# KiCad board helixloop.kicad_pcb (continued)
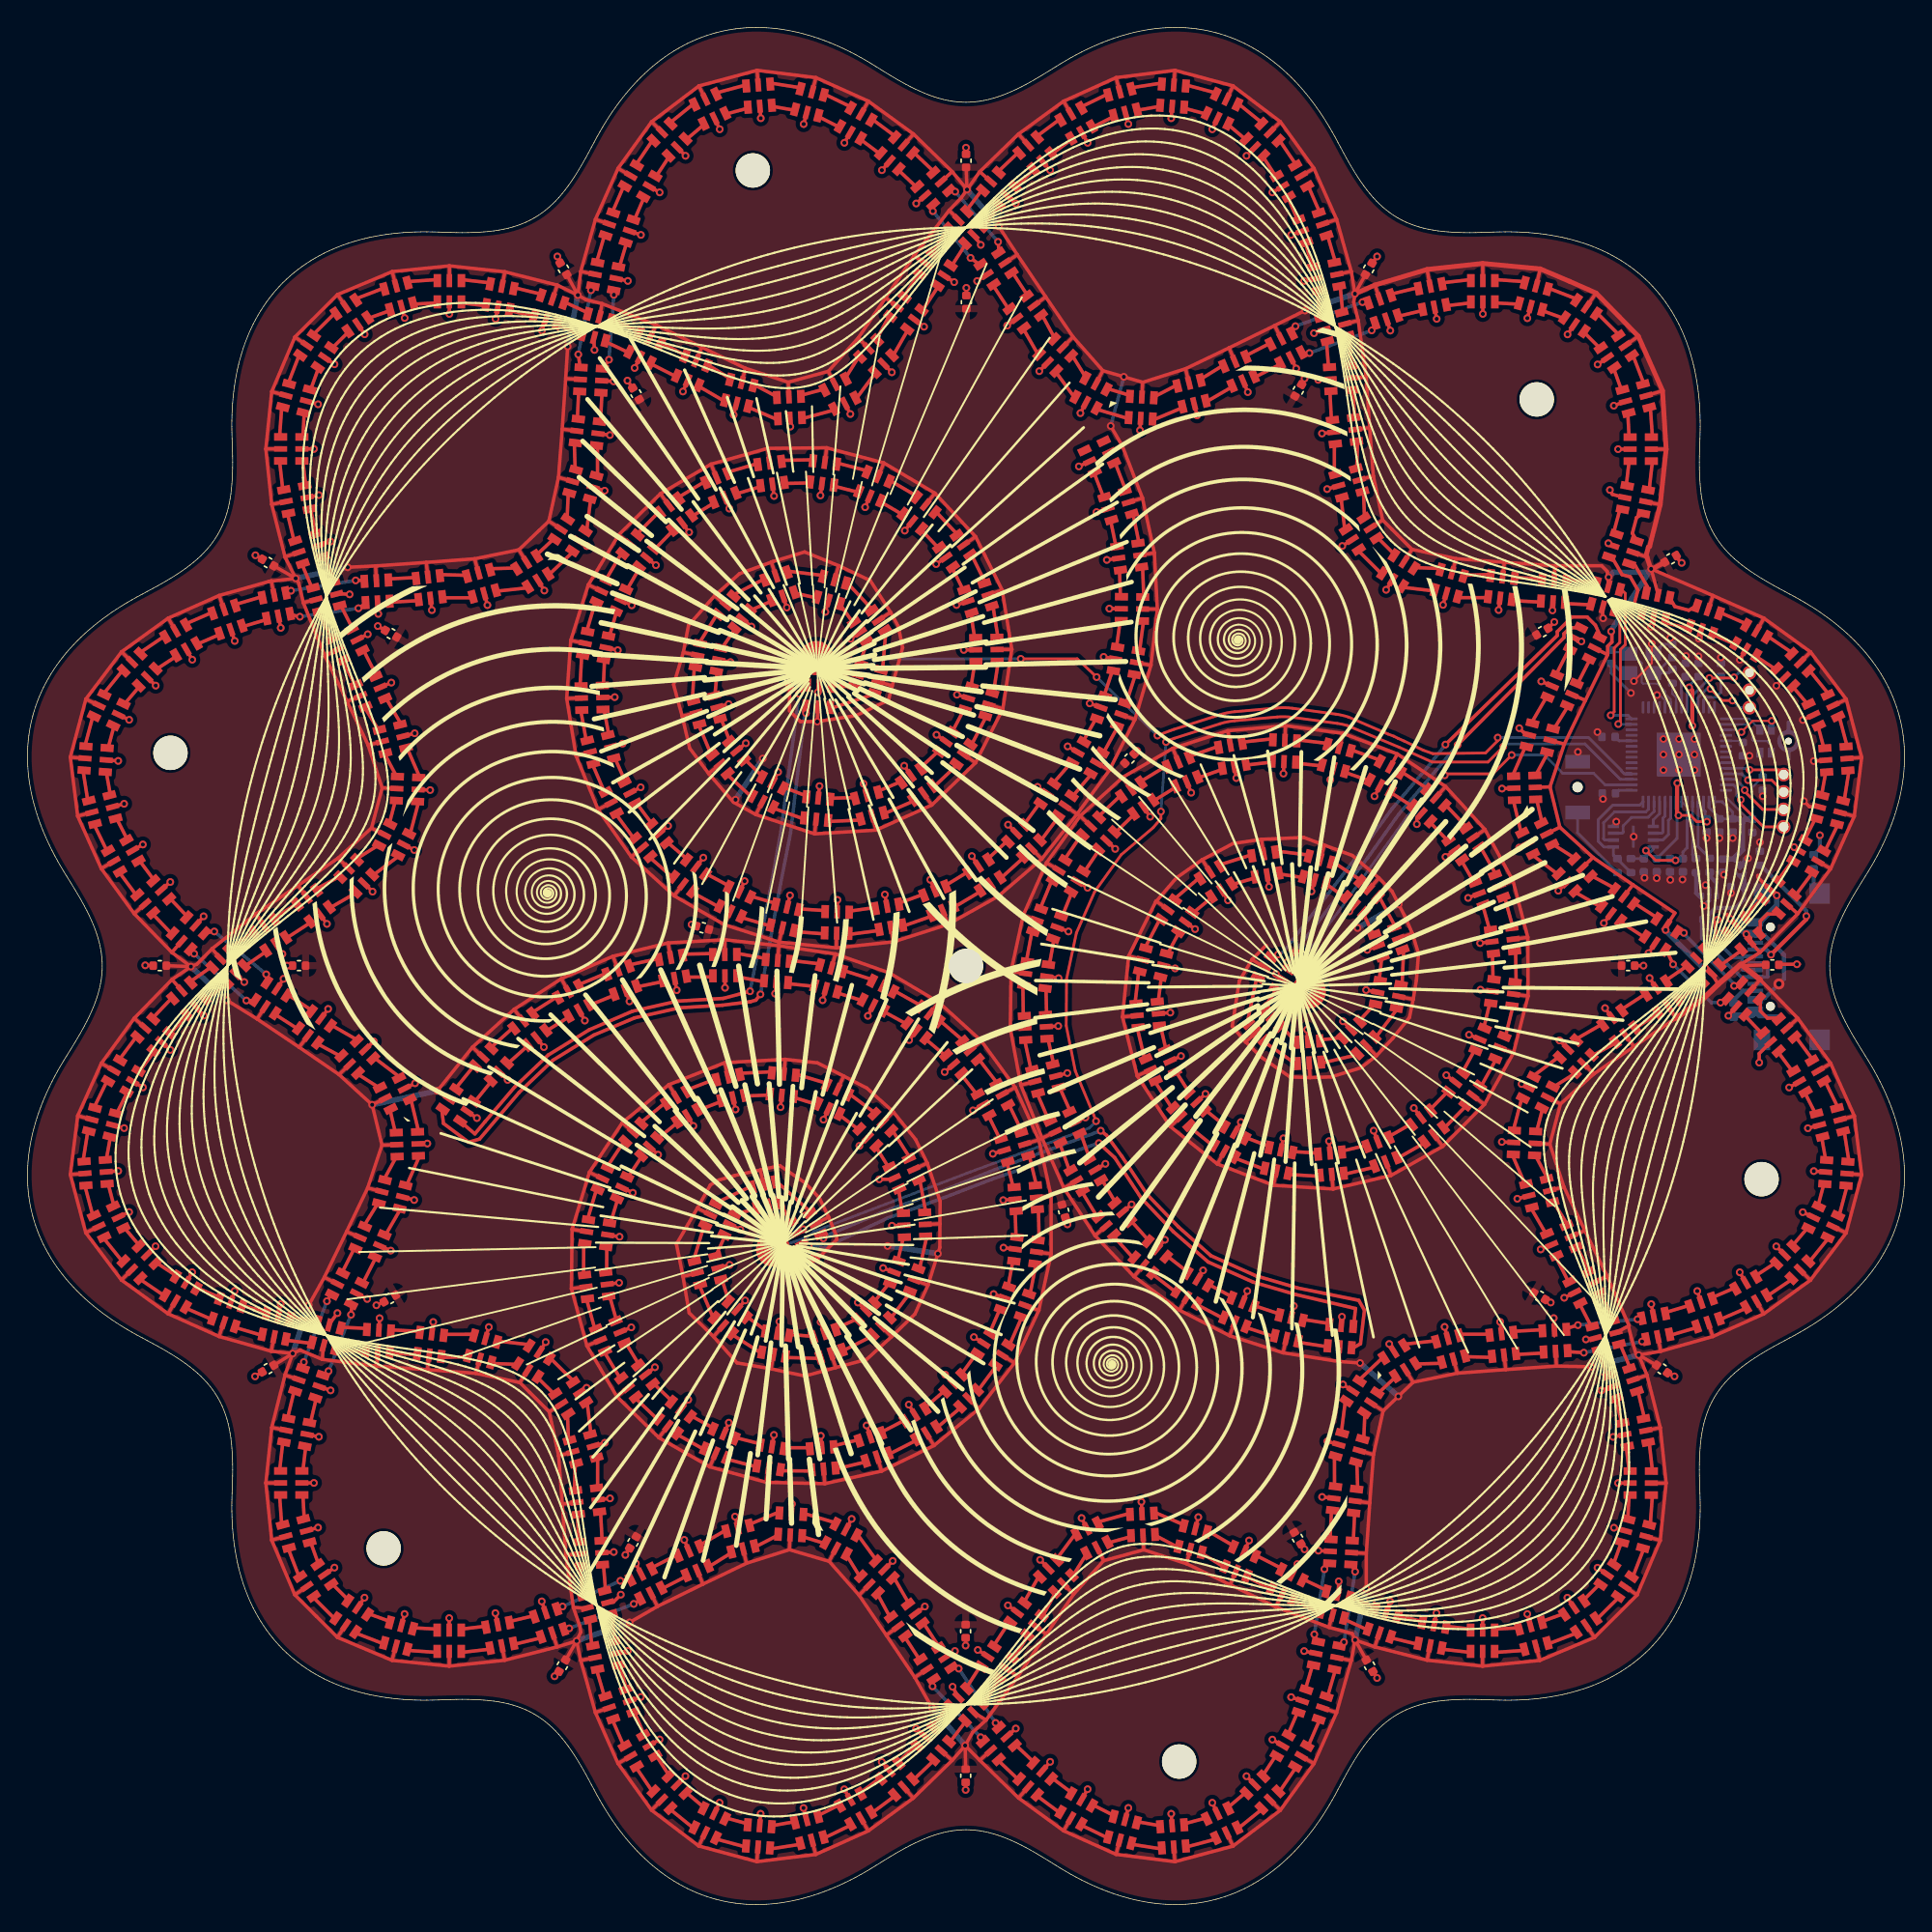
[diagram p0: board, top side]
## Routing (per net, layer and track width the routed paths; a pad name or vN(x,y) marks a point on that pad's centre or on a via; arc(x,y) is an arc through that point) (continued)
Net-(D176-CKO): length 2.1
  Top w0.25: 18.6,33.68 18.37,31.61
Net-(D176-SDO): length 1.7
  Top w0.25: 20.27,33.35 20.07,31.61
Net-(D177-CKO): length 2.1
  Top w0.25: 18.37,29.81 18.52,27.68
Net-(D177-SDO): length 1.7
  Top w0.25: 20.07,29.81 20.16,28.12
Net-(D178-CKO): length 2.2
  Top w0.25: 18.99,25.94 19.79,23.87
Net-(D178-SDO): length 1.6
  Top w0.25: 20.63,26.39 21.19,24.84
Net-(D179-CKO): length 2.2
  Top w0.25: 20.81,22.39 22.4,20.8
Net-(D179-SDO): length 1.6
  Top w0.25: 22.21,23.35 23.36,22.21
Net-(D180-CKO): length 2.2
  Top w0.25: 23.88,19.79 25.95,18.99
Net-(D180-SDO): length 1.6
  Top w0.25: 24.84,21.19 26.4,20.63
Net-(D181-CKO): length 2.1
  Top w0.25: 27.69,18.52 29.83,18.37
Net-(D181-SDO): length 1.7
  Top w0.25: 28.13,20.16 29.82,20.07
Net-(D182-CKO): length 2.1
  Top w0.25: 31.63,18.37 33.69,18.6
Net-(D182-SDO): length 1.7
  Top w0.25: 31.62,20.07 33.36,20.27
Net-(D183-CKO): length 2
  Top w0.25: 35.46,18.95 37.41,19.43
Net-(D183-SDO): length 1.8
  Top w0.25: 35.13,20.62 36.87,21.04
Net-(D184-CKO): length 6
  Top w0.25: 39.12,20 v1(39.47,20.12) ; v1(44.17,21.9) 44.64,22.21
  Bottom w0.25: v1(39.47,20.12) v1(44.17,21.9)
Net-(D184-SDO): length 5.7
  Top w0.25: 43.88,23.73 v1(43.19,23.58) ; v1(38.98,21.71) 38.58,21.61
  Bottom w0.25: v1(43.19,23.58) v1(38.98,21.71)
Net-(D185-CKO): length 2
  Top w0.25: 46.25,23.02 47.99,23.91
Net-(D185-SDO): length 2.1
  Top w0.25: 45.49,24.54 47.33,25.48
Net-(D186-CKO): length 1.9
  Top w0.25: 49.65,24.62 51.27,25.62
Net-(D186-SDO): length 2.2
  Top w0.25: 48.99,26.18 50.86,27.27
Net-(D187-CKO): length 1.8
  Top w0.25: 53.02,26.05 54.66,26.9
Net-(D187-SDO): length 2.3
  Top w0.25: 52.61,27.7 54.76,28.6
Net-(D188-CKO): length 1.7
  Top w0.25: 56.46,26.8 58.08,26.31
Net-(D188-SDO): length 2.4
  Top w0.25: 56.56,28.5 58.87,27.81
Net-(D189-CKO): length 1.9
  Top w0.25: 59.67,25.46 60.64,23.88
Net-(D189-SDO): length 2.3
  Top w0.25: 60.46,26.97 61.83,25.09
Net-(D190-CKO): length 1.9
  Top w0.25: 61.92,22.62 62.83,20.94
Net-(D190-SDO): length 2.2
  Top w0.25: 63.12,23.83 64.2,21.95
Net-(D191-CKO): length 2
  Top w0.25: 63.91,19.5 64.98,17.85
Net-(D191-SDO): length 2.1
  Top w0.25: 65.27,20.51 66.4,18.78
Net-(D192-CKO): length 5.9
  Top w0.25: 69.53,11.85 v1(69.44,12.19) ; v1(65.93,15.9) 65.97,16.35
  Bottom w0.25: v1(69.44,12.19) v1(65.93,15.9)
Net-(D192-SDO): length 5.6
  Top w0.25: 67.39,17.28 v1(67.84,17.19) ; v1(70.53,13.23) 70.8,12.97
  Bottom w0.25: v1(67.84,17.19) v1(70.53,13.23)
Net-(D193-CKO): length 2
  Top w0.25: 70.72,10.5 72.18,9.11
Net-(D193-SDO): length 1.8
  Top w0.25: 71.99,11.62 73.3,10.39
Net-(D194-CKO): length 2.1
  Top w0.25: 73.53,7.92 75.2,6.69
Net-(D194-SDO): length 1.7
  Top w0.25: 74.65,9.2 76.05,8.16
Net-(D195-CKO): length 2.1
  Top w0.25: 76.76,5.79 78.69,4.85
Net-(D195-SDO): length 1.7
  Top w0.25: 77.61,7.26 79.12,6.49
Net-(D196-CKO): length 2.2
  Top w0.25: 80.43,4.39 82.62,4.05
Net-(D196-SDO): length 1.6
  Top w0.25: 80.86,6.04 82.49,5.74
Net-(D197-CKO): length 2.2
  Top w0.25: 84.41,4.19 86.58,4.77
Net-(D197-SDO): length 1.6
  Top w0.25: 84.28,5.88 85.85,6.3
Net-(D198-CKO): length 2.2
  Top w0.25: 88.21,5.55 89.93,6.94
Net-(D198-SDO): length 1.6
  Top w0.25: 87.47,7.08 88.73,8.15
Net-(D199-CKO): length 2.1
  Top w0.25: 91.2,8.21 92.41,9.99
Net-(D199-SDO): length 1.7
  Top w0.25: 90.01,9.42 90.93,10.84
Net-(D200-CKO): length 2.1
  Top w0.25: 93.3,11.55 94.13,13.45
Net-(D200-SDO): length 1.7
  Top w0.25: 91.83,12.4 92.52,14
Net-(D201-CKO): length 2
  Top w0.25: 94.71,15.16 95.28,17.09
Net-(D201-SDO): length 1.8
  Top w0.25: 93.1,15.7 93.61,17.42
Net-(D202-CKO): length 6.1
  Top w0.25: 95.64,18.85 v1(95.91,19.12) ; v1(96.72,24.25) 96.48,24.74
  Bottom w0.25: v1(95.91,19.12) v1(96.72,24.25)
Net-(D202-SDO): length 5.9
  Top w0.25: 94.79,24.84 v1(94.48,24.43) ; v1(93.75,19.68) 93.97,19.19
  Bottom w0.25: v1(94.48,24.43) v1(93.75,19.68)
Net-(D203-CKO): length 2
  Top w0.25: 96.59,26.54 96.68,28.49
Net-(D203-SDO): length 2.1
  Top w0.25: 94.89,26.63 95,28.7
Net-(D204-CKO): length 1.9
  Top w0.25: 96.91,30.28 96.85,32.19
Net-(D204-SDO): length 2.2
  Top w0.25: 95.22,30.49 95.21,32.66
Net-(D205-CKO): length 1.8
  Top w0.25: 97.35,33.91 97.43,35.76
Net-(D205-SDO): length 2.3
  Top w0.25: 95.71,34.39 96.01,36.7
Net-(D206-CKO): length 1.7
  Top w0.25: 98.42,37.27 99.65,38.42
Net-(D206-SDO): length 2.4
  Top w0.25: 97,38.2 98.75,39.86
Net-(D207-CKO): length 1.9
  Top w0.25: 101.18,39.38 103.04,39.43
Net-(D207-SDO): length 2.3
  Top w0.25: 100.28,40.82 102.58,41.07
Net-(D208-CKO): length 1.9
  Top w0.25: 104.77,39.91 106.68,39.86
Net-(D208-SDO): length 2.2
  Top w0.25: 104.32,41.55 106.48,41.55
Net-(D209-CKO): length 2
  Top w0.25: 108.47,40.07 110.43,40.18
Net-(D209-SDO): length 2.1
  Top w0.25: 108.27,41.76 110.33,41.87
Net-(D210-CKO): length 5.8
  Top w0.25: v1(117.62,41.02) 117.9,41.11 ; 112.23,40.28 v1(113.38,40.2)
  Bottom w0.25: v1(113.38,40.2) v1(117.62,41.02)
Net-(D210-SDO): length 5.5
  Top w0.25: 117.57,42.78 v1(117.29,42.64) ; v1(112.95,42.21) 112.13,41.97
  Bottom w0.25: v1(117.29,42.64) v1(112.95,42.21)
Net-(D211-CKO): length 2
  Top w0.25: 119.67,41.47 121.6,42.04
Net-(D211-SDO): length 1.8
  Top w0.25: 119.33,43.13 121.05,43.65
Net-(D212-CKO): length 2.1
  Top w0.25: 123.3,42.62 125.21,43.45
Net-(D212-SDO): length 1.7
  Top w0.25: 122.75,44.23 124.36,44.92
Net-(D213-CKO): length 2.1
  Top w0.25: 126.77,44.35 128.54,45.55
Net-(D213-SDO): length 1.7
  Top w0.25: 125.92,45.82 127.34,46.74
Net-(D214-CKO): length 2.2
  Top w0.25: 129.81,46.82 131.2,48.55
Net-(D214-SDO): length 1.6
  Top w0.25: 128.6,48.02 129.67,49.28
Net-(D215-CKO): length 2.2
  Top w0.25: 131.98,50.17 132.56,52.34
Net-(D215-SDO): length 1.6
  Top w0.25: 130.44,50.91 130.86,52.47
Net-(D216-CKO): length 2.2
  Top w0.25: 132.7,54.14 132.35,56.33
Net-(D216-SDO): length 1.6
  Top w0.25: 131,54.27 130.71,55.89
Net-(D217-CKO): length 2.1
  Top w0.25: 131.89,58.07 130.95,59.99
Net-(D217-SDO): length 1.7
  Top w0.25: 130.25,57.63 129.48,59.14
Net-(D218-CKO): length 2.1
  Top w0.25: 130.05,61.55 128.81,63.22
Net-(D218-SDO): length 1.7
  Top w0.25: 128.58,60.7 127.53,62.1
Net-(D219-CKO): length 2.5
  Top w0.25: 126.24,66.03 126.24,65.09 126.75,64.58 127.63,64.58
Net-(D219-SDO): length 1.8
  Top w0.25: 126.35,63.46 125.12,64.76
Net-(D220-CKO): length 6.6
  Top w0.25: 124.89,67.22 124.59,66.92 v1(124.33,66.92) ; v1(120.67,70.79) 120.33,70.79 120.22,70.9
  Bottom w0.25: v1(120.67,70.79) 120.67,70.71 124.33,67.05 v1(124.33,66.92)
Net-(D220-SDO): length 6.3
  Top w0.25: 119.25,69.5 119.55,69.2 v1(119.88,68.5) ; v1(123.34,65.71) 123.58,65.95 123.76,65.95
  Bottom w0.25: v1(119.88,68.5) 122.67,65.71 v1(123.34,65.71)
Net-(D221-CKO): length 2
  Top w0.25: 118.71,71.89 117.07,72.95
Net-(D221-SDO): length 2.1
  Top w0.25: 117.78,70.47 116.04,71.59
Net-(D222-CKO): length 1.9
  Top w0.25: 115.63,74.04 113.95,74.94
Net-(D222-SDO): length 2.2
  Top w0.25: 114.6,72.68 112.72,73.76
Net-(D223-CKO): length 1.8
  Top w0.25: 112.7,76.24 111.14,77.23
Net-(D223-SDO): length 2.3
  Top w0.25: 111.48,75.06 109.62,76.47
Net-(D224-CKO): length 1.7
  Top w0.25: 110.33,78.84 109.95,80.49
Net-(D224-SDO): length 2.4
  Top w0.25: 108.82,78.08 108.25,80.43
Net-(D225-CKO): length 1.9
  Top w0.25: 109.89,82.29 110.77,83.92
Net-(D225-SDO): length 2.3
  Top w0.25: 108.19,82.23 109.12,84.35
Net-(D226-CKO): length 1.9
  Top w0.25: 111.22,85.66 112.22,87.29
Net-(D226-SDO): length 2.2
  Top w0.25: 109.57,86.09 110.66,87.96
Net-(D227-CKO): length 2
  Top w0.25: 112.93,88.95 113.82,90.7
Net-(D227-SDO): length 2.1
  Top w0.25: 111.37,89.62 112.3,91.46
Net-(D228-CKO): length 36.3
  Top w0.25: v1(91.11,69.21) 90.54,69.06 ; v1(103.3,84.5) 111.45,92.45 111.45,92.73 112.52,93.8 113.62,93.8 114.22,93.2 114.63,92.3
  Bottom w0.25: v1(91.11,69.21) 91.51,69.41 97.21,76.82 99.4,79.82 102.18,83.08 v1(103.3,84.5)
Net-(D228-SDO): length 33.3
  Top w0.25: v1(104.18,84.48) 111.94,92.3 111.94,92.58 112.37,93.01 D228.1 ; v1(91.77,68.65) D229.3
  Bottom w0.25: v1(91.77,68.65) 92.02,69.01 97.65,76.27 99.88,79.4 v1(104.18,84.48)
Net-(D229-CKO): length 3.5
  Top w0.25: 89.56,67.55 88.85,64.17
Net-(D229-SDO): length 1.6
  Top w0.25: 90.98,66.63 90.08,65.33
Net-(D230-CKO): length 2.9
  Top w0.25: 90.08,62.86 92.48,61.19
Net-(D230-SDO): length 1.6
  Top w0.25: 91.32,64.02 92.37,62.89
Net-(D231-CKO): length 2.7
  Top w0.25: 94.27,61.3 96.92,61.92
Net-(D231-SDO): length 1.6
  Top w0.25: 94.17,62.99 95.74,63.15
Net-(D232-CKO): length 2.6
  Top w0.25: 98.22,63.17 99.8,65.25
Net-(D232-SDO): length 1.6
  Top w0.25: 97.04,64.39 98.13,65.58
Net-(D233-CKO): length 2.5
  Top w0.25: 100.14,67.02 100.26,69.56
Net-(D233-SDO): length 1.6
  Top w0.25: 98.48,67.35 98.66,68.98
Net-(D234-CKO): length 2.5
  Top w0.25: 99.64,71.25 98.46,73.44
Net-(D234-SDO): length 1.7
  Top w0.25: 98.04,70.67 97.33,72.17
Net-(D235-CKO): length 2.4
  Top w0.25: 97.11,74.63 95.07,75.98
Net-(D235-SDO): length 1.7
  Top w0.25: 95.99,73.36 94.62,74.34
Net-(D236-CKO): length 2.4
  Top w0.25: 93.33,76.46 90.94,76.76
Net-(D236-SDO): length 1.7
  Top w0.25: 92.88,74.82 91.21,75.08
Net-(D237-CKO): length 2.4
  Top w0.25: 89.16,76.47 86.88,75.75
Net-(D237-SDO): length 1.7
  Top w0.25: 89.43,74.79 87.79,74.32
Net-(D238-CKO): length 2.4
  Top w0.25: 85.36,74.79 83.56,73.25
Net-(D238-SDO): length 1.7
  Top w0.25: 86.27,73.36 84.94,72.26
Net-(D239-CKO): length 2.4
  Top w0.25: 82.51,71.79 81.42,69.71
Net-(D239-SDO): length 1.7
  Top w0.25: 83.88,70.8 83.06,69.27
Net-(D240-CKO): length 2.3
  Top w0.25: 80.96,67.97 80.69,65.65
Net-(D240-SDO): length 1.7
  Top w0.25: 82.6,67.53 82.38,65.8
Net-(D241-CKO): length 2.3
  Top w0.25: 80.85,63.86 81.39,61.6
Net-(D241-SDO): length 1.8
  Top w0.25: 82.54,64.01 82.93,62.3
Net-(D242-CKO): length 2.3
  Top w0.25: 82.13,59.96 83.37,58.02
Net-(D242-SDO): length 1.8
  Top w0.25: 83.68,60.66 84.62,59.18
Net-(D243-CKO): length 2.3
  Top w0.25: 84.6,56.7 86.39,55.26
Net-(D243-SDO): length 1.8
  Top w0.25: 85.84,57.86 87.22,56.74
Net-(D244-CKO): length 2.3
  Top w0.25: 87.96,54.38 90.09,53.56
Net-(D244-SDO): length 1.8
  Top w0.25: 88.79,55.86 90.45,55.23
Net-(D245-CKO): length 2.3
  Top w0.25: 91.86,53.19 94.13,53.05
Net-(D245-SDO): length 1.8
  Top w0.25: 92.21,54.85 93.99,54.74
Net-(D247-CKO): length 2.3
  Top w0.25: 99.81,54.37 101.78,55.49
Net-(D247-SDO): length 1.8
  Top w0.25: 99.2,55.96 100.76,56.84
Net-(D248-CKO): length 2.3
  Top w0.25: 103.22,56.57 104.8,58.18
Net-(D248-SDO): length 1.8
  Top w0.25: 102.19,57.93 103.45,59.22
Net-(D249-CKO): length 2.3
  Top w0.25: 105.89,59.61 106.99,61.58
Net-(D249-SDO): length 1.8
  Top w0.25: 104.55,60.64 105.41,62.23
Net-(D250-CKO): length 2.2
  Top w0.25: 107.67,63.24 108.21,65.42
Net-(D250-SDO): length 1.8
  Top w0.25: 106.1,63.89 106.52,65.65
Net-(D251-CKO): length 2.2
  Top w0.25: 108.45,67.2 108.41,69.44
Net-(D251-SDO): length 1.8
  Top w0.25: 106.76,67.43 106.73,69.24
Net-(D252-CKO): length 2.2
  Top w0.25: 108.2,71.23 107.61,73.39
Net-(D252-SDO): length 1.8
  Top w0.25: 106.51,71.03 106.02,72.78
Net-(D253-CKO): length 2.2
  Top w0.25: 106.97,75.07 105.87,77.01
Net-(D253-SDO): length 1.8
  Top w0.25: 105.38,74.46 104.47,76.04
Net-(D254-CKO): length 2.2
  Top w0.25: 104.84,78.49 103.32,80.1
Net-(D254-SDO): length 1.8
  Top w0.25: 103.45,77.52 102.18,78.83
Net-(D255-CKO): length 2.2
  Top w0.25: 101.97,81.3 100.11,82.51
Net-(D255-SDO): length 1.8
  Top w0.25: 100.84,80.03 99.3,81.02
Net-(D256-CKO): length 2.2
  Top w0.25: 98.53,83.37 96.44,84.12
Net-(D256-SDO): length 1.8
  Top w0.25: 97.72,81.87 95.99,82.48
Net-(D257-CKO): length 2.2
  Top w0.25: 94.7,84.59 92.51,84.85
Net-(D257-SDO): length 1.8
  Top w0.25: 94.25,82.95 92.43,83.15
Net-(D258-CKO): length 2.2
  Top w0.25: 90.71,84.92 88.51,84.68
Net-(D258-SDO): length 1.8
  Top w0.25: 90.63,83.23 88.81,83.01
Net-(D259-CKO): length 2.2
  Top w0.25: 86.74,84.37 84.65,83.65
Net-(D259-SDO): length 1.8
  Top w0.25: 87.04,82.69 85.3,82.08
Net-(D260-CKO): length 2.2
  Top w0.25: 82.99,82.96 81.1,81.82
Net-(D260-SDO): length 1.8
  Top w0.25: 83.64,81.39 82.07,80.42
Net-(D261-CKO): length 2.2
  Top w0.25: 79.63,80.79 78.03,79.27
Net-(D261-SDO): length 1.8
  Top w0.25: 80.6,79.39 79.27,78.11
Net-(D262-CKO): length 2.2
  Top w0.25: 76.8,77.96 75.56,76.14
Net-(D262-SDO): length 1.8
  Top w0.25: 78.04,76.8 77.01,75.26
Net-(D263-CKO): length 2.2
  Top w0.25: 74.62,74.61 73.78,72.58
Net-(D263-SDO): length 1.9
  Top w0.25: 76.08,73.72 75.39,72
Net-(D264-CKO): length 2.2
  Top w0.25: 73.18,70.88 72.77,68.73
Net-(D264-SDO): length 1.9
  Top w0.25: 74.78,70.31 74.45,68.49
Net-(D265-CKO): length 2.2
  Top w0.25: 72.52,66.94 72.55,64.75
Net-(D265-SDO): length 1.9
  Top w0.25: 74.2,66.7 74.24,64.85
Net-(D266-CKO): length 2.2
  Top w0.25: 72.65,62.96 73.11,60.82
Net-(D266-SDO): length 1.9
  Top w0.25: 74.35,63.05 74.75,61.24
Net-(D267-CKO): length 2.2
  Top w0.25: 73.56,59.08 74.43,57.07
Net-(D267-SDO): length 1.9
  Top w0.25: 75.21,59.5 75.96,57.8
Net-(D268-CKO): length 2.1
  Top w0.25: 75.2,55.45 75.91,53.48
Net-(D268-SDO): length 2
  Top w0.25: 76.74,56.18 77.38,54.33
Net-(D269-CKO): length 2.2
  Top w0.25: 76.82,51.92 77.95,50.07
Net-(D269-SDO): length 1.9
  Top w0.25: 78.29,52.78 79.24,51.17
Net-(D270-CKO): length 2.2
  Top w0.25: 79.11,48.7 80.56,47.09
Net-(D270-SDO): length 1.9
  Top w0.25: 80.41,49.8 81.66,48.4
Net-(D271-CKO): length 2.2
  Top w0.25: 81.94,45.94 83.65,44.62
Net-(D271-SDO): length 1.9
  Top w0.25: 83.04,47.24 84.52,46.08
Net-(D272-CKO): length 2.2
  Top w0.25: 85.2,43.7 87.1,42.7
Net-(D272-SDO): length 1.9
  Top w0.25: 86.07,45.17 87.73,44.28
Net-(D273-CKO): length 2.1
  Top w0.25: 88.78,42.04 90.82,41.37
Net-(D273-SDO): length 1.9
  Top w0.25: 89.4,43.62 91.2,43.03
Net-(D274-CKO): length 2.1
  Top w0.25: 92.57,40.97 94.69,40.63
Net-(D274-SDO): length 1.9
  Top w0.25: 92.95,42.62 94.82,42.33
Net-(D275-CKO): length 49.6
  Top w0.25: 96.48,40.49 97.11,40.85 97.4,43.3 96.98,44.02 92.54,44.91 89.48,45.81 86.22,47.27 83.85,49.36 81.56,51.74 79.73,54.49 78.61,56.04 v1(78.19,56.37) ; v1(57.98,48.54) 57.98,48.73 57.89,48.83
  Bottom w0.25: v1(78.19,56.37) 70.47,53.53 66.62,51.99 62.45,50.52 57.98,48.64 v1(57.98,48.54)
Net-(D275-SDO): length 47.5
  Top w0.25: v1(78.05,55.47) 79.2,54.42 81.12,51.49 83.47,49.03 86.02,46.81 89.29,45.35 92.34,44.45 96.75,43.42 96.61,42.19 ; v1(56.92,47.98) 56.37,48.06
  Bottom w0.25: v1(78.05,55.47) 70.29,52.85 66.7,51.47 62.66,50.01 58.09,47.87 v1(56.92,47.98)
Net-(D276-CKO): length 3.5
  Top w0.25: 57.07,50.43 54.49,52.74
Net-(D276-SDO): length 1.6
  Top w0.25: 55.55,49.66 54.88,51.09
Net-(D277-CKO): length 2.9
  Top w0.25: 52.74,52.33 50.1,51.09
Net-(D277-SDO): length 1.6
  Top w0.25: 53.13,50.68 51.62,50.33
Net-(D278-CKO): length 2.7
  Top w0.25: 49.29,49.48 48.51,46.87
Net-(D278-SDO): length 1.6
  Top w0.25: 50.82,48.72 50.16,47.28
Net-(D279-CKO): length 2.6
  Top w0.25: 48.94,45.12 49.96,42.72
Net-(D279-SDO): length 1.6
  Top w0.25: 50.59,45.53 51.08,44
Net-(D280-CKO): length 2.5
  Top w0.25: 51.32,41.53 53.46,40.17
Net-(D280-SDO): length 1.6
  Top w0.25: 52.43,42.81 53.75,41.84
Net-(D281-CKO): length 2.5
  Top w0.25: 55.23,39.85 57.72,39.78
Net-(D281-SDO): length 1.7
  Top w0.25: 55.52,41.53 57.18,41.4
Net-(D282-CKO): length 2.4
  Top w0.25: 59.42,40.35 61.61,41.45
Net-(D282-SDO): length 1.7
  Top w0.25: 58.89,41.96 60.42,42.66
Net-(D283-CKO): length 2.4
  Top w0.25: 62.89,42.71 64.35,44.64
Net-(D283-SDO): length 1.7
  Top w0.25: 61.7,43.92 62.76,45.24
Net-(D284-CKO): length 2.4
  Top w0.25: 64.99,46.32 65.51,48.65
Net-(D284-SDO): length 1.7
  Top w0.25: 63.4,46.93 63.81,48.59
Net-(D285-CKO): length 2.4
  Top w0.25: 65.44,50.45 65.01,52.78
Net-(D285-SDO): length 1.7
  Top w0.25: 63.74,50.38 63.46,52.08
Net-(D286-CKO): length 2.4
  Top w0.25: 64.27,54.42 63.01,56.41
Net-(D286-SDO): length 1.7
  Top w0.25: 62.72,53.72 61.81,55.2
Net-(D287-CKO): length 2.3
  Top w0.25: 61.73,57.68 59.86,59.07
Net-(D287-SDO): length 1.7
  Top w0.25: 60.53,56.47 59.14,57.53
Net-(D288-CKO): length 2.3
  Top w0.25: 58.23,59.82 56,60.49
Net-(D288-SDO): length 1.8
  Top w0.25: 57.51,58.28 55.84,58.8
Net-(D289-CKO): length 2.3
  Top w0.25: 54.21,60.66 51.91,60.56
Net-(D289-SDO): length 1.8
  Top w0.25: 54.04,58.97 52.28,58.9
Net-(D290-CKO): length 2.3
  Top w0.25: 50.15,60.16 48.01,59.33
Net-(D290-SDO): length 1.8
  Top w0.25: 50.53,58.5 48.88,57.87
Net-(D291-CKO): length 2.3
  Top w0.25: 46.46,58.41 44.69,56.97
Net-(D291-SDO): length 1.8
  Top w0.25: 47.33,56.95 45.95,55.83
Net-(D292-CKO): length 2.3
  Top w0.25: 43.48,55.63 42.22,53.73
Net-(D292-SDO): length 1.8
  Top w0.25: 44.75,54.49 43.76,53
Net-(D293-CKO): length 2.3
  Top w0.25: 41.46,52.1 40.8,49.92
Net-(D293-SDO): length 1.8
  Top w0.25: 43,51.38 42.48,49.66
Net-(D294-CKO): length 2.3
  Top w0.25: 40.53,48.15 40.51,45.88
Net-(D294-SDO): length 1.8
  Top w0.25: 42.21,47.88 42.2,46.09
Net-(D295-CKO): length 2.3
  Top w0.25: 40.73,44.1 41.33,41.92
Net-(D295-SDO): length 1.8
  Top w0.25: 42.42,44.3 42.9,42.57
Net-(D296-CKO): length 2.3
  Top w0.25: 42.02,40.26 43.18,38.33
Net-(D296-SDO): length 1.8
  Top w0.25: 43.59,40.91 44.53,39.37
Net-(D297-CKO): length 2.2
  Top w0.25: 44.28,36.9 45.9,35.35
Net-(D297-SDO): length 1.8
  Top w0.25: 45.63,37.94 46.94,36.69
Net-(D298-CKO): length 2.2
  Top w0.25: 47.32,34.25 49.28,33.16
Net-(D298-SDO): length 1.8
  Top w0.25: 48.36,35.59 49.95,34.72
Net-(D299-CKO): length 2.2
  Top w0.25: 50.93,32.45 53.1,31.89
Net-(D299-SDO): length 1.8
  Top w0.25: 51.6,34.01 53.36,33.56
Net-(D300-CKO): length 2.2
  Top w0.25: 54.87,31.6 57.1,31.58
Net-(D300-SDO): length 1.8
  Top w0.25: 55.14,33.28 56.96,33.28
Net-(D301-CKO): length 2.2
  Top w0.25: 58.9,31.73 61.06,32.25
Net-(D301-SDO): length 1.8
  Top w0.25: 58.76,33.42 60.53,33.86
Net-(D302-CKO): length 2.2
  Top w0.25: 62.77,32.81 64.75,33.82
Net-(D302-SDO): length 1.8
  Top w0.25: 62.24,34.42 63.86,35.26
Net-(D303-CKO): length 2.2
  Top w0.25: 66.28,34.76 67.97,36.19
Net-(D303-SDO): length 1.8
  Top w0.25: 65.39,36.21 66.78,37.4
Net-(D304-CKO): length 2.2
  Top w0.25: 69.25,37.46 70.57,39.24
Net-(D304-SDO): length 1.8
  Top w0.25: 68.06,38.67 69.14,40.15
Net-(D305-CKO): length 2.2
  Top w0.25: 71.54,40.75 72.43,42.78
Net-(D305-SDO): length 1.8
  Top w0.25: 70.11,41.67 70.83,43.35
Net-(D306-CKO): length 2.2
  Top w0.25: 73.04,44.47 73.47,46.64
Net-(D306-SDO): length 1.8
  Top w0.25: 71.44,45.05 71.78,46.86
Net-(D307-CKO): length 2.2
  Top w0.25: 73.7,48.42 73.65,50.63
Net-(D307-SDO): length 1.8
  Top w0.25: 72.01,48.64 71.95,50.48
Net-(D308-CKO): length 2.2
  Top w0.25: 73.5,52.42 72.98,54.56
Net-(D308-SDO): length 1.8
  Top w0.25: 71.8,52.28 71.35,54.06
Net-(D309-CKO): length 2.2
  Top w0.25: 72.46,56.28 71.51,58.26
Net-(D309-SDO): length 1.8
  Top w0.25: 70.83,55.79 70.02,57.45
Net-(D310-CKO): length 2.2
  Top w0.25: 70.64,59.84 69.31,61.58
Net-(D310-SDO): length 1.9
  Top w0.25: 69.15,59.03 68.01,60.48
Net-(D311-CKO): length 2.2
  Top w0.25: 68.14,62.96 66.48,64.39
Net-(D311-SDO): length 1.9
  Top w0.25: 66.85,61.85 65.43,63.05
Net-(D312-CKO): length 2.2
  Top w0.25: 65.06,65.5 63.15,66.57
Net-(D312-SDO): length 1.9
  Top w0.25: 64.01,64.16 62.39,65.05
Net-(D313-CKO): length 2.2
  Top w0.25: 61.55,67.38 59.46,68.05
Net-(D313-SDO): length 1.9
  Top w0.25: 60.78,65.86 59.01,66.41
Net-(D314-CKO): length 2.2
  Top w0.25: 57.73,68.53 55.56,68.78
Net-(D314-SDO): length 1.9
  Top w0.25: 57.27,66.89 55.43,67.09
Net-(D315-CKO): length 2.1
  Top w0.25: 53.76,68.92 51.7,69.29
Net-(D315-SDO): length 2
  Top w0.25: 53.63,67.23 51.71,67.59
Net-(D316-CKO): length 2.2
  Top w0.25: 49.9,69.28 47.73,69.23
Net-(D316-SDO): length 1.9
  Top w0.25: 49.91,67.58 48.04,67.56
Net-(D317-CKO): length 2.2
  Top w0.25: 45.96,68.91 43.85,68.45
Net-(D317-SDO): length 1.9
  Top w0.25: 46.27,67.23 44.43,66.86
Net-(D318-CKO): length 2.2
  Top w0.25: 42.16,67.84 40.16,67.02
Net-(D318-SDO): length 1.9
  Top w0.25: 42.74,66.24 41,65.53
Net-(D319-CKO): length 2.2
  Top w0.25: 38.59,66.14 36.78,64.99
Net-(D319-SDO): length 1.9
  Top w0.25: 39.43,64.65 37.83,63.65
Net-(D320-CKO): length 2.1
  Top w0.25: 35.37,63.87 33.76,62.44
Net-(D320-SDO): length 1.9
  Top w0.25: 36.42,62.54 35.01,61.28
Net-(D321-CKO): length 2.1
  Top w0.25: 32.54,61.12 31.19,59.45
Net-(D321-SDO): length 1.9
  Top w0.25: 33.78,59.96 32.59,58.49
Net-(D322-CKO): length 49.6
  Top w0.25: v1(53.4,66.31) 53.07,65.89 52.67,65.77 50.62,65.52 47.5,65.33 44.23,64.59 41.26,63.34 38.27,61.5 35.82,59.16 32.93,55.76 32.14,55.53 30.31,56.9 30.17,57.97 ; D323.4 56.71,87.29 v1(56.71,86.79)
  Bottom w0.25: v1(56.71,86.79) 56.61,86.69 56.61,86.64 55.6,78.09 54.78,73.92 v1(53.4,66.31)
Net-(D322-SDO): length 47.7
  Top w0.25: v1(52.64,66.53) 50.68,66.01 47.33,65.81 44.06,65.08 40.92,63.72 37.94,61.89 35.48,59.54 33.35,57.04 32.59,56.14 31.57,57.01 ; v1(56.21,88.21) 56.78,88.92
  Bottom w0.25: v1(52.64,66.53) 54.11,73.88 54.88,78.14 56.15,87.65 v1(56.21,88.21)
Net-(D323-CKO): length 3.5
  Top w0.25: 58.49,87.13 61.78,88.21
Net-(D323-SDO): length 1.6
  Top w0.25: 58.58,88.83 60.15,88.69
Net-(D324-CKO): length 2.9
  Top w0.25: 62.29,89.93 62.54,92.84
Net-(D324-SDO): length 1.6
  Top w0.25: 60.67,90.42 61.12,91.9
Net-(D325-CKO): length 2.7
  Top w0.25: 61.55,94.34 59.68,96.32
Net-(D325-SDO): length 1.6
  Top w0.25: 60.13,93.4 59.21,94.69
Net-(D326-CKO): length 2.6
  Top w0.25: 57.95,96.82 55.36,97.14
Net-(D326-SDO): length 1.6
  Top w0.25: 57.48,95.19 55.91,95.54
Net-(D327-CKO): length 2.5
  Top w0.25: 53.66,96.56 51.4,95.39
Net-(D327-SDO): length 1.6
  Top w0.25: 54.21,94.95 52.71,94.3
Net-(D328-CKO): length 2.5
  Top w0.25: 50.25,94.01 48.94,91.9
Net-(D328-SDO): length 1.7
  Top w0.25: 51.55,92.92 50.61,91.55
Net-(D329-CKO): length 2.4
  Top w0.25: 48.58,90.13 48.44,87.69
Net-(D329-SDO): length 1.7
  Top w0.25: 50.24,89.79 50.08,88.12
Net-(D330-CKO): length 2.4
  Top w0.25: 48.89,85.95 49.83,83.72
Net-(D330-SDO): length 1.7
  Top w0.25: 50.54,86.38 51.15,84.8
Net-(D331-CKO): length 2.4
  Top w0.25: 50.97,82.33 52.73,80.71
Net-(D331-SDO): length 1.7
  Top w0.25: 52.28,83.4 53.52,82.21
Net-(D332-CKO): length 2.4
  Top w0.25: 54.32,79.87 56.55,79.08
Net-(D332-SDO): length 1.7
  Top w0.25: 55.11,81.38 56.72,80.77
Net-(D333-CKO): length 2.4
  Top w0.25: 58.34,78.9 60.69,79
Net-(D333-SDO): length 1.7
  Top w0.25: 58.51,80.59 60.25,80.64
Net-(D334-CKO): length 2.3
  Top w0.25: 62.43,79.47 64.57,80.4
Net-(D334-SDO): length 1.7
  Top w0.25: 61.99,81.11 63.59,81.79
Net-(D335-CKO): length 2.3
  Top w0.25: 66.04,81.43 67.73,83.03
Net-(D335-SDO): length 1.8
  Top w0.25: 65.06,82.82 66.35,84.02
Net-(D336-CKO): length 2.3
  Top w0.25: 68.78,84.49 69.84,86.54
Net-(D336-SDO): length 1.8
  Top w0.25: 67.4,85.48 68.21,87.04
Net-(D337-CKO): length 2.3
  Top w0.25: 70.37,88.26 70.72,90.53
Net-(D337-SDO): length 1.8
  Top w0.25: 68.74,88.76 69.02,90.51
Net-(D338-CKO): length 2.3
  Top w0.25: 70.7,92.33 70.34,94.59
Net-(D338-SDO): length 1.8
  Top w0.25: 69,92.31 68.72,94.06
Net-(D339-CKO): length 2.3
  Top w0.25: 69.78,96.3 68.76,98.34
Net-(D339-SDO): length 1.8
  Top w0.25: 68.16,95.77 67.37,97.37
Net-(D340-CKO): length 2.3
  Top w0.25: 67.74,99.82 66.18,101.47
Net-(D340-SDO): length 1.8
  Top w0.25: 66.34,98.85 65.11,100.15
Net-(D341-CKO): length 2.3
  Top w0.25: 64.78,102.6 62.83,103.75
Net-(D341-SDO): length 1.8
  Top w0.25: 63.71,101.28 62.16,102.18
Net-(D342-CKO): length 2.3
  Top w0.25: 61.17,104.45 58.99,105.01
Net-(D342-SDO): length 1.8
  Top w0.25: 60.51,102.88 58.76,103.33
Net-(D343-CKO): length 2.3
  Top w0.25: 57.2,105.25 54.95,105.21
Net-(D343-SDO): length 1.8
  Top w0.25: 56.98,103.56 55.18,103.52
Net-(D344-CKO): length 2.2
  Top w0.25: 53.17,104.97 51.01,104.35
Net-(D344-SDO): length 1.8
  Top w0.25: 53.39,103.29 51.66,102.78
Net-(D345-CKO): length 2.2
  Top w0.25: 49.35,103.66 47.43,102.51
Net-(D345-SDO): length 1.8
  Top w0.25: 49.99,102.09 48.44,101.15
Net-(D346-CKO): length 2.2
  Top w0.25: 45.98,101.44 44.41,99.85
Net-(D346-SDO): length 1.8
  Top w0.25: 47,100.07 45.73,98.77
Net-(D347-CKO): length 2.2
  Top w0.25: 43.28,98.45 42.15,96.53
Net-(D347-SDO): length 1.8
  Top w0.25: 44.6,97.38 43.68,95.8
Net-(D348-CKO): length 2.2
  Top w0.25: 41.38,94.9 40.74,92.77
Net-(D348-SDO): length 1.8
  Top w0.25: 42.91,94.17 42.41,92.42
Net-(D349-CKO): length 2.2
  Top w0.25: 40.38,91.01 40.26,88.79
Net-(D349-SDO): length 1.8
  Top w0.25: 42.04,90.66 41.96,88.84
Net-(D350-CKO): length 2.2
  Top w0.25: 40.31,86.99 40.7,84.81
Net-(D350-SDO): length 1.8
  Top w0.25: 42.01,87.04 42.35,85.24
Net-(D351-CKO): length 2.2
  Top w0.25: 41.16,83.07 42.04,81.03
Net-(D351-SDO): length 1.8
  Top w0.25: 42.81,83.5 43.55,81.82
Net-(D352-CKO): length 2.2
  Top w0.25: 42.87,79.44 44.18,77.66
Net-(D352-SDO): length 1.8
  Top w0.25: 44.38,80.22 45.48,78.75
Net-(D353-CKO): length 2.2
  Top w0.25: 45.34,76.28 47,74.83
Net-(D353-SDO): length 1.8
  Top w0.25: 46.64,77.38 48.04,76.18
Net-(D354-CKO): length 2.2
  Top w0.25: 48.43,73.73 50.37,72.68
Net-(D354-SDO): length 1.8
  Top w0.25: 49.46,75.08 51.09,74.22
Net-(D355-CKO): length 2.2
  Top w0.25: 51.99,71.91 54.1,71.29
